# Altium PCB STM32unitV1.PcbDoc (part 3 of 4)
Units mm, origin at the board's own origin, x right, y up, seen from the top; angles counter-clockwise.
Board outline 206 x 142 mm, 2 copper layers (Top Layer, Bottom Layer); 234 components, 216 nets, 930 pads, 890 vias.
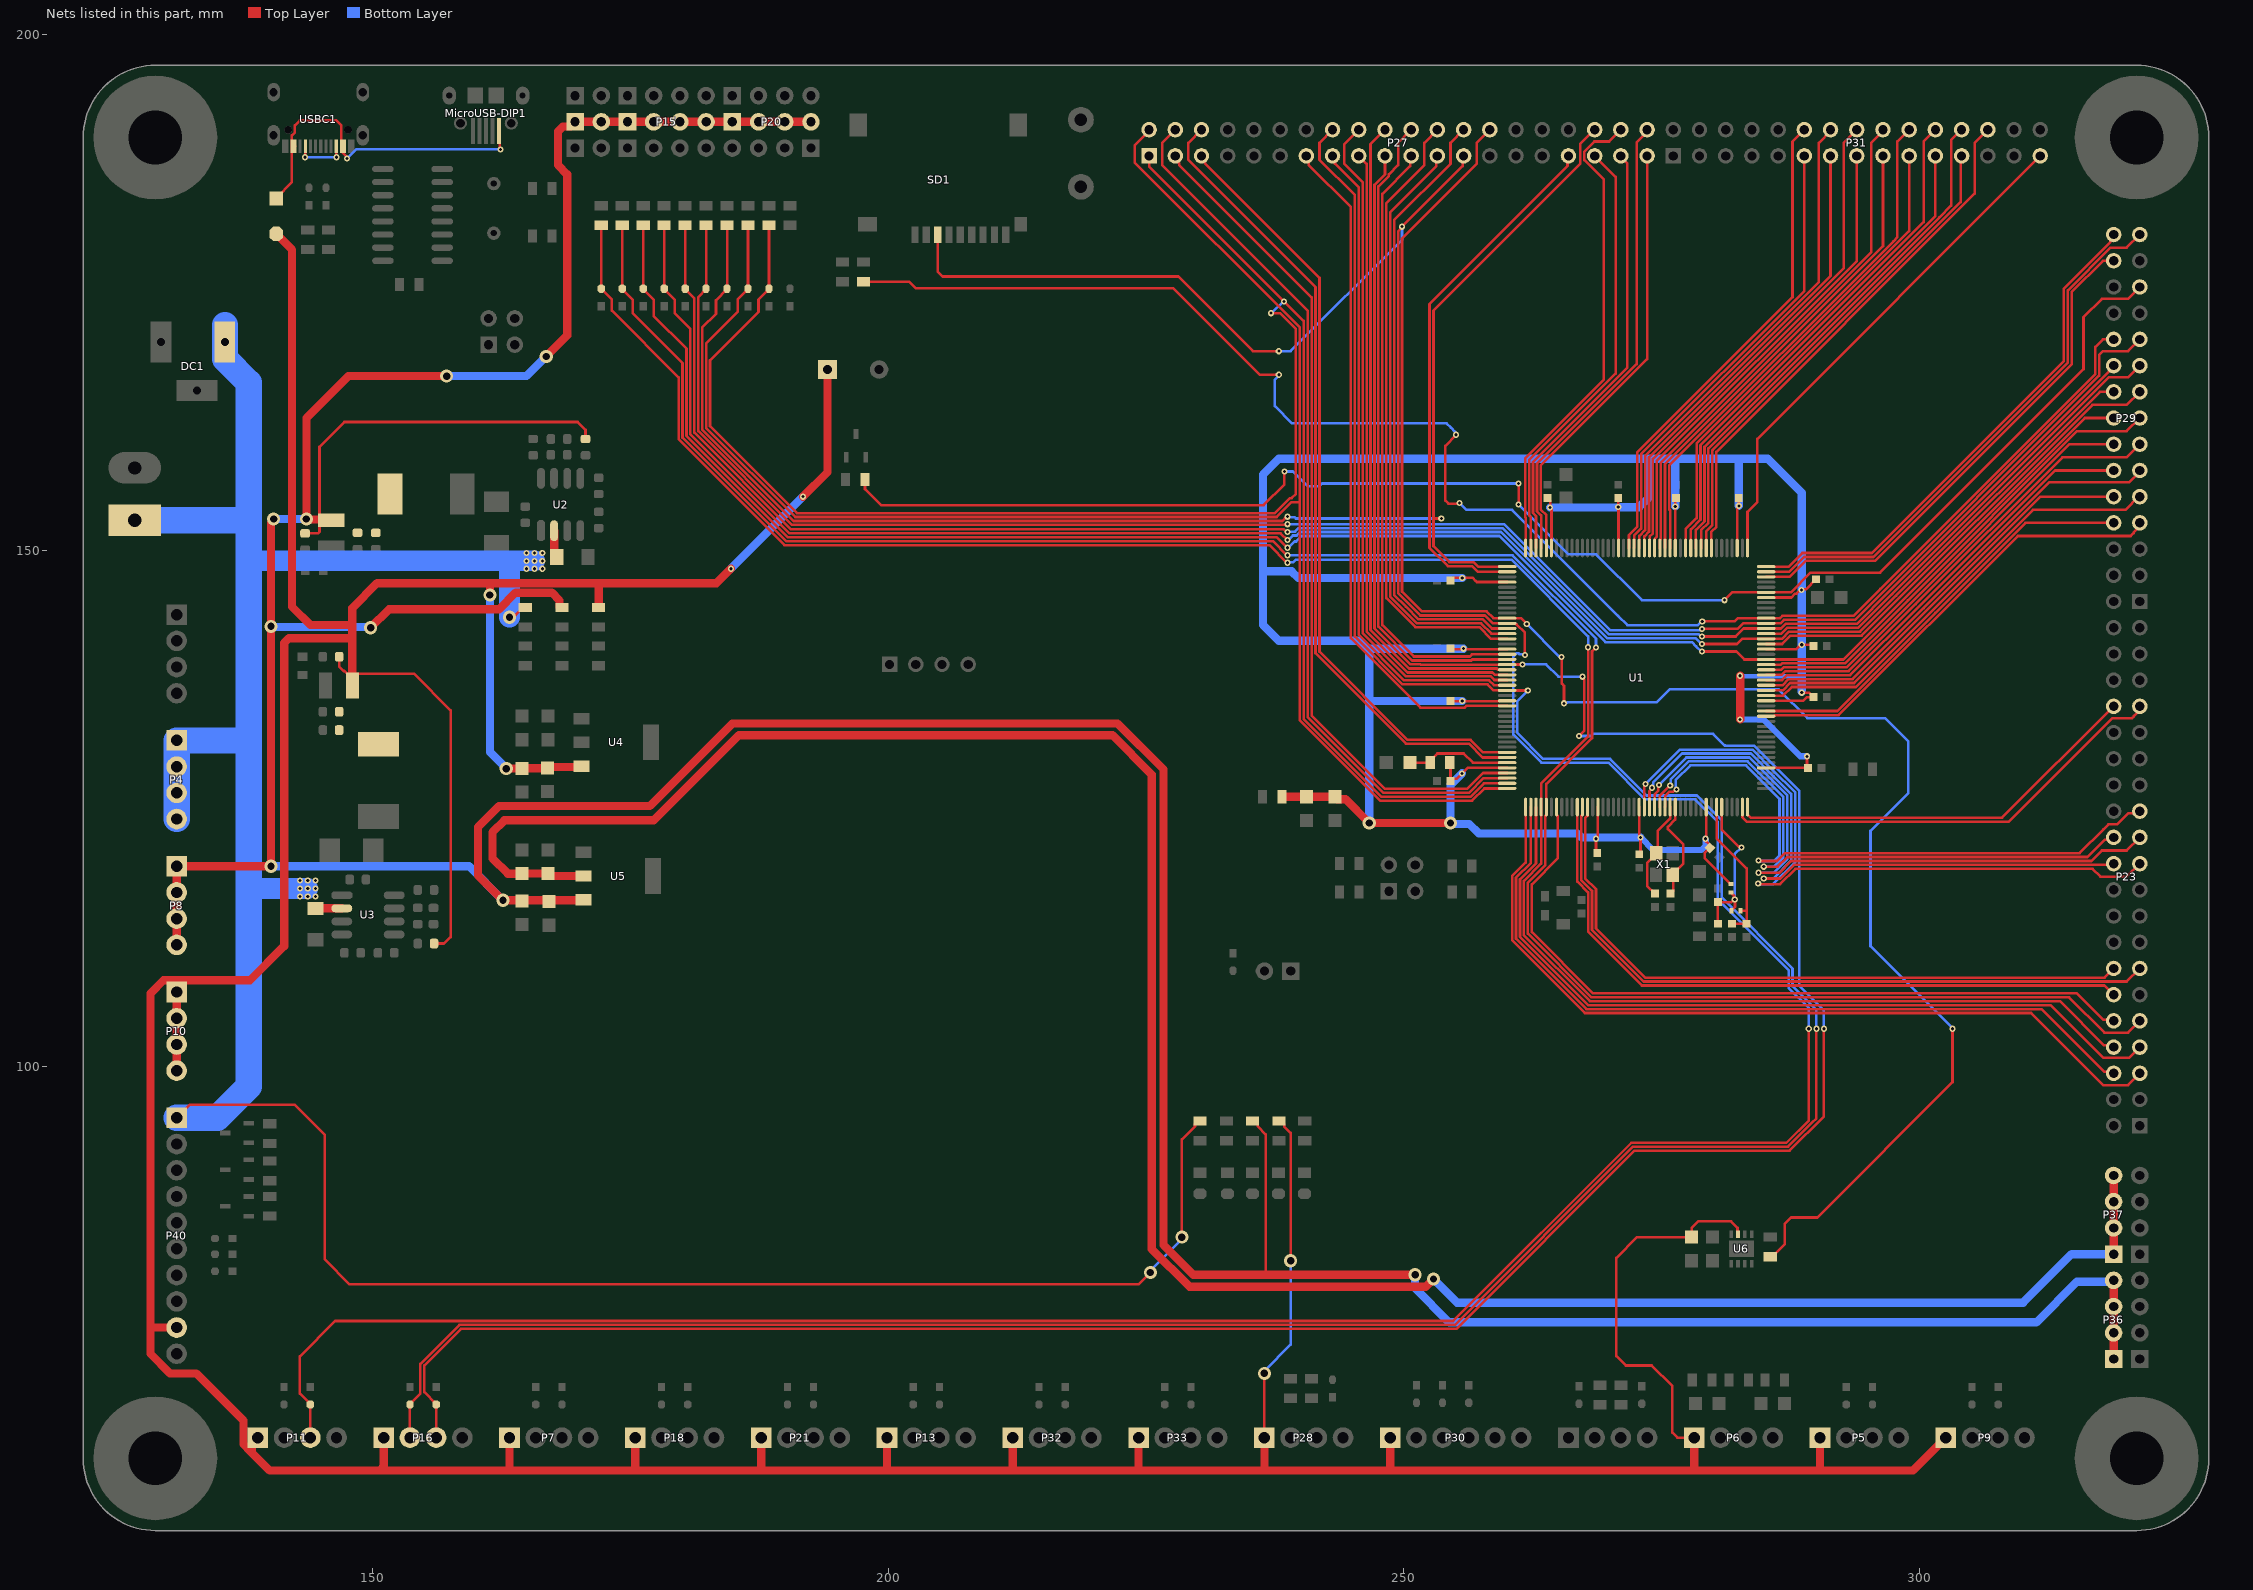
[diagram p3: the nets of this part, all layers, seen from the top]

## Via types
v1: diameter 0.6, hole 0.3, Top Layer to Bottom Layer, tented both sides, 860 vias
v2: diameter 1.27, hole 0.711, Top Layer to Bottom Layer, tented both sides, 30 vias

## Nets (pads, with @x,y where several pads share a name; then routed paths per layer and width w, separated by ;. In a path a pad name is that pad's centre, name@x,y a point inside that pad or via, vN(x,y) a via of type N, cw(c..) or ccw(c..) an arc to the next point about the centre after c; other vN are vias at no path point) (continued)
PD1: P27.28 R6.1 U1.143 | length 170.6
  Top Layer w0.254: P27.28@258.318,190.754 258.08,190.516 257.048,189.484 257.048,188.617 257.048,187.452 249.809,180.213 249.809,145.992 251.727,144.074 258.002,144.074 258.659,143.418 261.323,143.418 v1(261.899,142.842) ; v1(265.273,139.641) 265.303,139.611 265.303,137.068 265.511,136.86 v1(265.511,135.168) ; R6.1@285.496,81.534 285.686,81.534 286.893,82.74 286.893,84.709 287.528,85.344 290.049,85.344 303.154,98.449 v1(303.154,103.632)
  Bottom Layer w0.254: v1(261.899,142.842) 265.034,139.707 265.207,139.707 v1(265.273,139.641) ; v1(265.511,135.168) 265.577,135.234 265.837,135.234 265.858,135.255 274.479,135.255 275.749,136.525 286.316,136.525 289.11,133.731 296.624,133.731 298.877,131.478 298.877,126.48 295.204,122.808 295.204,111.638 303.154,103.688 v1(303.154,103.632)
PD2: D19.2 P11.3 P27.25 SD1.3 U1.144 | length 347.4
  Top Layer w0.254: P11.3@144.018,64.008 D19.2@144.018,67.222 144.018,67.272 143.002,68.288 143.002,71.882 146.431,75.311 254.773,75.311 272.045,92.583 287.051,92.583 289.229,94.761 v1(289.229,103.632) ; SD1.3@204.81,180.594 204.81,177.014 205.294,176.53 228.127,176.53 235.366,169.291 v1(237.871,169.291) ; P27.25@255.778,188.214 255.685,188.121 255.685,187.232 v1(249.809,181.356) 249.809,181.262 249.428,180.881 249.428,145.834 251.58,143.682 257.855,143.682 258.62,142.918 260.754,142.918 260.85,142.822 260.909,142.822 261.714,142.017 v1(261.714,139.86)
  Bottom Layer w0.254: v1(237.871,169.291) 239.014,169.291 249.809,180.086 v1(249.809,181.356) ; P27.25@255.719,188.155 P27.25@255.778,188.214 ; v1(261.714,139.86) 261.648,139.926 261.192,139.926 261.116,140.002 260.906,140.002 260.604,139.7 260.604,132.142 263.333,129.413 269.81,129.413 273.366,125.857 278.226,125.857 280.416,123.667 280.416,116.174 287.274,109.316 287.274,107.596 289.229,105.641 v1(289.229,103.632)
PD3: P27.26 U1.145 | length 60.2
  Top Layer w0.254: P27.26@255.778,190.754 254.508,189.484 254.508,187.452 249.047,181.991 249.047,145.676 250.19,144.533 250.19,144.526 251.415,143.301 257.638,143.301 258.521,142.418 U1.145@259.992,142.418
PD4: P27.23 U1.146 | length 57.4
  Top Layer w0.254: P27.23@253.238,188.214 253.145,188.121 253.145,187.232 248.666,182.753 248.666,145.511 251.257,142.92 257.48,142.92 258.482,141.918 U1.146@259.992,141.918
PD5: P27.24 U1.147 | length 60.8
  Top Layer w0.254: P27.24@253.238,190.754 251.968,189.484 251.968,187.325 248.285,183.642 248.285,145.353 251.099,142.539 257.322,142.539 258.443,141.418 U1.147@259.992,141.418
PD6: P27.21 U1.150 | length 60.1
  Top Layer w0.254: P27.21@250.698,188.214 250.605,188.121 250.605,187.232 247.904,184.531 247.904,142.748 250.952,139.7 256.374,139.7 256.592,139.918 U1.150@259.992,139.918
PD7: P27.22 U1.151 | length 63.3
  Top Layer w0.254: P27.22@250.698,190.754 249.428,189.484 249.428,187.325 248.539,186.436 248.539,186.278 247.523,185.262 247.523,142.59 250.794,139.319 256.532,139.319 256.631,139.418 U1.151@259.992,139.418
PD8: P31.26 U1.96 | length 51.6
  Top Layer w0.254: U1.96@279.792,150.218 279.792,151.797 280.268,152.273 280.268,159.518 305.308,184.558 305.308,189.484 P31.26@306.578,190.754
PD9: P31.23 U1.97 | length 48.2
  Top Layer w0.254: U1.97@279.292,150.218 279.292,151.836 279.887,152.431 279.887,159.676 279.908,159.697 303.946,183.734 303.946,188.122 P31.23@304.038,188.214
PD10: P31.24 U1.98 | length 51
  Top Layer w0.254: U1.98@278.792,150.218 278.792,151.945 279.501,152.654 279.501,159.867 301.879,182.245 303.03,183.396 303.03,189.746 P31.24@304.038,190.754
PD11: P31.21 U1.99 | length 47.6
  Top Layer w0.254: U1.99@278.292,150.218 278.292,151.984 279.118,152.809 279.118,160.022 301.498,182.403 P31.21@301.498,188.214
PD12: P31.22 U1.100 | length 50.4
  Top Layer w0.254: U1.100@277.792,150.218 277.792,152.023 278.737,152.967 278.737,160.18 300.355,181.799 300.355,189.611 P31.22@301.498,190.754
PD13: P31.19 U1.101 | length 47
  Top Layer w0.254: U1.101@277.292,150.218 277.292,152.061 278.356,153.125 278.356,160.338 298.958,180.94 P31.19@298.958,188.214
PD14: P31.20 U1.104 | length 50.2
  Top Layer w0.254: U1.104@275.792,150.218 275.792,153.876 275.717,153.951 275.717,158.238 297.422,179.943 297.815,180.336 297.815,188.491 297.815,189.611 298.947,190.743 P31.20@298.958,190.754
PD15: P31.17 U1.105 | length 46.7
  Top Layer w0.254: U1.105@275.292,150.218 275.292,158.352 296.418,179.478 P31.17@296.418,188.214
PDR_ON: C3.2 R8.2 U1.171 | length 10.3
  Top Layer w0.254: C3.2@250.571,129.413 R8.2@252.542,129.413 252.542,129.604 253.241,130.302 255.789,130.302 256.673,129.418 U1.171@259.992,129.418
PE0: P27.5 U1.169 | length 75
  Top Layer w0.254: P27.5@230.378,188.214 230.378,187.877 230.733,187.522 230.733,187.478 241.808,176.403 241.808,140.181 250.357,131.632 256.448,131.632 257.662,130.418 U1.169@259.992,130.418
PE1: P27.6 U1.170 | length 79.1
  Top Layer w0.254: P27.6@230.378,190.754 229.108,189.484 229.108,187.833 241.427,175.514 241.427,140.023 250.199,131.251 256.29,131.251 257.623,129.918 U1.170@259.992,129.918
PE2: P23.5 U1.1 | length 80.6
  Top Layer w0.254: U1.1@261.792,125.118 261.792,119.737 260.477,118.422 260.477,112.21 267.531,105.156 310.769,105.156 317.754,98.171 320.167,98.171 P23.5@321.31,99.314
PE3: P23.6 U1.2 | length 76.7
  Top Layer w0.254: U1.2@262.292,125.118 262.292,119.698 260.858,118.264 260.858,112.368 267.689,105.537 311.785,105.537 317.843,99.479 318.605,99.479 P23.6@318.77,99.314
PE4: P23.7 U1.3 | length 78.6
  Top Layer w0.254: U1.3@262.792,125.118 262.792,119.659 261.239,118.106 261.239,112.526 267.847,105.918 312.674,105.918 317.754,100.838 320.294,100.838 P23.7@321.31,101.854
PE5: D34.2 P23.8 R74.1 U1.4 | length 213.3
  Top Layer w0.254: R74.1@172.212,181.488 D34.2@172.212,175.348 172.212,175.298 173.228,174.282 173.228,173.228 179.705,166.751 179.705,160.759 189.969,150.495 236.95,150.495 238.658,148.787 v1(238.714,148.787) ; v1(267.843,140.599) 267.843,131.953 263.292,127.402 U1.4@263.292,125.118 263.292,119.62 261.62,117.948 261.62,112.684 268.005,106.299 313.563,106.299 317.843,102.019 318.605,102.019 P23.8@318.77,101.854
  Bottom Layer w0.254: v1(238.714,148.787) 238.78,148.853 239.277,148.853 239.522,149.098 260.406,149.098 267.843,141.661 v1(267.843,140.599)
PE6: D33.2 P23.9 R75.1 U1.5 | length 214.7
  Top Layer w0.254: R75.1@174.244,181.488 D33.2@174.244,175.348 174.244,175.298 175.26,174.282 175.26,172.974 180.086,168.148 180.086,160.916 190.126,150.876 237.296,150.876 238.658,149.514 v1(238.714,149.514) ; v1(268.605,140.589) 268.605,140.578 268.224,140.197 268.224,131.795 263.792,127.363 U1.5@263.792,125.118 263.792,124.356 263.696,124.26 263.696,119.486 262.001,117.791 262.001,112.841 268.162,106.68 314.452,106.68 317.881,103.251 320.167,103.251 P23.9@321.31,104.394
  Bottom Layer w0.254: v1(238.714,149.514) 260.529,149.514 268.605,141.438 v1(268.605,140.589)
PE7: P29.14 U1.68 | length 42.7
  Top Layer w0.254: U1.68@285.092,138.418 286.559,138.418 286.797,138.656 292.892,138.656 299.212,144.976 314.51,160.274 P29.14@318.77,160.274
PE8: P29.15 U1.69 | length 46.1
  Top Layer w0.254: U1.69@285.092,138.918 286.52,138.918 286.639,139.037 292.734,139.037 298.831,145.134 315.241,161.544 320.04,161.544 P29.15@321.31,162.814
PE9: D28.2 P29.16 R66.1 U1.70 | length 180.1
  Top Layer w0.254: R66.1@176.276,181.488 D28.2@176.276,175.348 176.276,175.298 177.292,174.282 177.292,172.72 180.467,169.545 180.467,161.074 190.284,151.257 237.677,151.257 238.693,150.241 v1(238.714,150.241) ; v1(278.875,140.194) 282.208,140.194 282.984,139.418 U1.70@285.092,139.418 292.576,139.418 315.972,162.814 P29.16@318.77,162.814
  Bottom Layer w0.254: v1(238.714,150.241) 238.781,150.241 239.386,150.846 239.553,150.846 240.092,151.384 259.242,151.384 269.529,141.097 277.917,141.097 278.322,140.691 278.82,140.194 v1(278.875,140.194)
PE10: P29.17 U1.73 | length 46.3
  Top Layer w0.254: U1.73@285.092,140.918 286.649,140.918 287.463,141.732 294.351,141.732 316.703,164.084 320.04,164.084 P29.17@321.31,165.354
PE11: D27.2 P29.18 R67.1 U1.74 | length 178.4
  Top Layer w0.254: R67.1@178.308,181.488 D27.2@178.308,175.348 178.308,175.298 179.324,174.282 179.324,172.974 180.848,171.45 180.848,161.232 190.442,151.638 238.058,151.638 238.693,151.003 v1(238.714,151.003) ; v1(278.876,140.921) 282.272,140.921 282.769,141.418 U1.74@285.092,141.418 286.61,141.418 287.305,142.113 294.194,142.113 297.688,145.607 317.435,165.354 P29.18@318.77,165.354
  Bottom Layer w0.254: v1(238.714,151.003) 238.808,151.003 239.233,151.428 239.597,151.428 239.934,151.765 259.399,151.765 269.686,141.478 278.274,141.478 278.831,140.921 v1(278.876,140.921)
PE12: P29.19 U1.75 | length 47
  Top Layer w0.254: U1.75@285.092,141.918 286.571,141.918 287.147,142.494 294.036,142.494 297.307,145.765 318.293,166.751 320.167,166.751 P29.19@321.31,167.894
PE13: D26.2 P29.20 R68.1 U1.76 | length 177.4
  Top Layer w0.254: R68.1@180.34,181.488 D26.2@180.34,175.348 180.34,175.298 181.229,174.409 181.229,161.39 190.6,152.019 238.366,152.019 238.62,151.765 v1(238.714,151.765) ; v1(278.888,141.648) 282.141,141.648 282.911,142.418 U1.76@285.092,142.418 286.528,142.418 286.985,142.875 293.878,142.875 296.926,145.923 318.77,167.767 P29.20@318.77,167.894
  Bottom Layer w0.254: v1(238.714,151.765) 238.758,151.809 239.439,151.809 239.776,152.146 259.557,152.146 269.844,141.859 278.583,141.859 278.794,141.648 v1(278.888,141.648)
PE14: D25.2 P29.21 R69.1 U1.77 | length 180.9
  Top Layer w0.254: R69.1@182.372,181.488 D25.2@182.372,175.348 182.372,175.298 181.61,174.536 181.61,161.548 190.698,152.459 238.648,152.459 v1(238.714,152.526) ; v1(278.889,142.381) 282.335,142.381 282.872,142.918 U1.77@285.092,142.918 286.49,142.918 286.828,143.256 293.716,143.256 317.373,166.913 317.373,168.91 317.754,169.291 320.167,169.291 P29.21@321.31,170.434
  Bottom Layer w0.254: v1(238.714,152.526) 238.715,152.527 259.715,152.527 270.002,142.24 278.654,142.24 278.795,142.381 v1(278.889,142.381)
PE15: P29.22 R53.1 U1.78 | length 155.6
  Top Layer w0.254: R53.1@197.612,176.022 202.057,176.022 202.692,175.387 227.653,175.387 236.035,167.005 v1(237.871,167.005) ; v1(255.03,161.197) 255.03,161.155 254,160.126 254,154.813 254.295,154.518 255.302,154.518 v1(255.368,154.584) ; v1(278.908,143.107) 282.045,143.107 282.356,143.418 286.451,143.418 286.67,143.637 293.559,143.637 296.164,146.242 316.992,167.07 316.992,169.705 317.721,170.434 P29.22@318.77,170.434
  Bottom Layer w0.254: v1(237.871,167.005) 237.871,166.911 237.49,166.53 237.49,163.957 239.141,162.306 254.127,162.306 254.545,161.888 254.963,161.47 254.963,161.263 v1(255.03,161.197) ; v1(255.368,154.584) 255.388,154.584 256.048,153.924 260.477,153.924 270.764,143.637 271.653,142.748 278.472,142.748 278.832,143.107 v1(278.908,143.107)
PF6: P23.21 U1.24 | length 69.9
  Top Layer w0.254: U1.24@273.292,125.118 273.292,127.149 273.396,127.254 v1(273.396,127.347) ; v1(284.326,117.705) 284.393,117.639 284.636,117.639 284.638,117.637 286.451,117.637 287.94,119.126 316.738,119.126 317.5,118.364 320.04,118.364 P23.21@321.31,119.634
  Bottom Layer w0.254: v1(273.396,127.347) 276.732,130.683 283.776,130.683 285.779,128.68 285.783,128.68 287.909,126.554 287.909,119.765 285.781,117.637 284.638,117.637 284.636,117.639 v1@284.425,117.639 ; v1(284.326,117.705) v1@284.343,117.721 ; v1@284.343,117.721 v1@284.425,117.639 ; v1@284.343,117.721 v1@284.425,117.639 ; v1@284.343,117.721 v1@284.425,117.639
PF7: P23.22 U1.25 | length 63
  Top Layer w0.254: U1.25@273.792,125.118 273.792,126.656 274.026,126.89 v1(274.026,126.984) ; v1(284.867,118.191) 286.466,118.191 287.782,119.507 318.643,119.507 P23.22@318.77,119.634
  Bottom Layer w0.254: v1(274.026,126.984) 274.092,127.05 274.092,127.251 274.147,127.306 274.147,127.483 276.966,130.302 283.618,130.302 285.827,128.093 285.831,128.093 287.528,126.396 287.528,119.923 285.796,118.191 v1(284.867,118.191)
PF8: P23.23 U1.26 | length 65.5
  Top Layer w0.254: U1.26@274.292,125.118 274.301,125.127 274.301,126.346 274.635,126.68 274.635,127.188 v1(274.701,127.254) ; v1(284.353,118.745) 286.385,118.745 287.528,119.888 316.611,119.888 317.627,120.904 320.04,120.904 P23.23@321.31,122.174
  Bottom Layer w0.254: v1(274.701,127.254) 277.368,129.921 283.46,129.921 285.746,127.635 285.75,127.635 287.147,126.238 287.147,120.08 285.812,118.745 v1@284.459,118.745 ; v1(284.353,118.745) v1@284.406,118.798 ; v1@284.406,118.798 v1@284.459,118.745 ; v1@284.406,118.798 v1@284.459,118.745 ; v1@284.406,118.798 v1@284.459,118.745
PF9: P23.24 U1.27 | length 59.4
  Top Layer w0.254: U1.27@274.792,125.118 274.792,126.211 v1(275.798,127.217) ; v1(284.861,119.337) 286.215,119.337 287.147,120.269 316.23,120.269 317.907,121.946 318.542,121.946 P23.24@318.77,122.174
  Bottom Layer w0.254: v1(275.798,127.217) 275.864,127.284 275.864,127.813 277.591,129.54 283.302,129.54 286.766,126.076 286.766,120.238 285.865,119.337 v1(284.861,119.337)
PF10: P23.25 U1.28 | length 62.1
  Top Layer w0.254: U1.28@275.292,125.118 275.301,125.127 275.301,126.181 275.728,126.609 276.103,126.609 276.312,126.818 v1(276.405,126.818) ; v1(284.343,119.935) 284.387,119.891 286.146,119.891 286.906,120.65 315.468,120.65 317.766,122.948 318.262,123.444 319.109,123.444 320.179,124.514 321.11,124.514 P23.25@321.31,124.714
  Bottom Layer w0.254: v1(276.405,126.818) 276.352,126.871 276.352,127.762 277.749,129.159 283.145,129.159 286.385,125.919 286.385,120.396 285.88,119.891 284.387,119.891 v1(284.343,119.935)
PF11: P29.7 U1.59 | length 44.2
  Top Layer w0.254: U1.59@285.092,133.918 285.854,133.918 285.95,134.014 292.125,134.014 309.495,151.384 320.421,151.384 320.712,151.675 320.712,151.719 321.31,152.317 P29.7@321.31,152.654
PF12: P29.8 U1.60 | length 41.2
  Top Layer w0.254: U1.60@285.092,134.418 291.99,134.418 301.498,143.926 310.226,152.654 P29.8@318.77,152.654
PF13: P29.9 U1.63 | length 44.2
  Top Layer w0.254: U1.63@285.092,135.918 286.753,135.918 287.586,136.751 293.785,136.751 310.958,153.924 319.913,153.924 321.183,155.194 P29.9@321.31,155.194
PF14: P29.10 U1.64 | length 41.5
  Top Layer w0.254: U1.64@285.092,136.418 285.711,136.418 285.732,136.439 285.754,136.418 286.714,136.418 287.428,137.132 293.627,137.132 311.689,155.194 P29.10@318.77,155.194
PF15: P29.11 U1.65 | length 44.9
  Top Layer w0.254: U1.65@285.092,136.918 286.675,136.918 287.27,137.513 293.469,137.513 300.355,144.399 312.547,156.591 320.294,156.591 321.31,157.607 P29.11@321.31,157.734
PG0: P29.12 U1.66 | length 42.1
  Top Layer w0.254: U1.66@285.092,137.418 286.636,137.418 287.112,137.894 293.246,137.894 299.974,144.622 313.086,157.734 P29.12@318.77,157.734
PG1: P29.13 U1.67 | length 45.5
  Top Layer w0.254: U1.67@285.092,137.918 286.598,137.918 286.955,138.275 293.088,138.275 299.593,144.78 313.817,159.004 320.04,159.004 P29.13@321.31,160.274
PG2: P31.18 U1.106 | length 49.5
  Top Layer w0.254: U1.106@274.792,150.218 274.792,150.98 274.888,151.076 274.888,158.487 295.275,178.874 295.275,189.484 296.418,190.627 P31.18@296.418,190.754
PG3: P31.15 U1.107 | length 46.1
  Top Layer w0.254: U1.107@274.292,150.218 274.301,150.227 274.301,151.111 274.507,151.317 274.507,158.683 293.878,178.054 P31.15@293.878,188.214
PG4: P31.16 U1.108 | length 48.9
  Top Layer w0.254: U1.108@273.792,150.218 273.801,150.227 273.801,151.313 274.126,151.638 274.126,158.841 292.608,177.323 292.608,189.484 P31.16@293.878,190.754
PG5: P31.13 U1.109 | length 45.5
  Top Layer w0.254: U1.109@273.292,150.218 273.301,150.227 273.301,151.352 273.745,151.796 273.745,158.999 291.338,176.592 P31.13@291.338,188.214
PG6: P31.14 U1.110 | length 48.2
  Top Layer w0.254: U1.110@272.792,150.218 272.801,150.227 272.801,151.39 273.364,151.954 273.364,159.156 290.195,175.987 290.195,189.484 291.338,190.627 P31.14@291.338,190.754
PG7: P31.11 U1.111 | length 44.8
  Top Layer w0.254: U1.111@272.292,150.218 272.301,150.227 272.301,151.429 272.983,152.111 272.983,159.314 288.798,175.129 P31.11@288.798,188.214
PG8: P31.12 U1.112 | length 47.6
  Top Layer w0.254: U1.112@271.792,150.218 271.801,150.227 271.801,151.468 272.602,152.269 272.602,159.472 287.655,174.525 287.655,189.611 P31.12@288.798,190.754
PG9: D39.2 P16.3 P27.19 U1.152 | length 283.7
  Top Layer w0.254: P16.3@156.21,64.008 D39.2@156.21,67.222 156.21,67.272 155.067,68.415 155.067,70.993 158.623,74.549 255.089,74.549 272.361,91.821 287.366,91.821 290.696,95.151 v1(290.696,103.632) ; P27.19@248.158,188.214 248.158,186.436 247.142,185.42 247.142,142.432 250.636,138.938 251.587,138.938 251.607,138.918 U1.152@259.992,138.918 260.001,138.927 261.482,138.927 v1(261.493,138.938) ; v1(266.954,131.999) 267.462,132.507 267.462,137.482 267.289,137.655 v1(267.289,137.749)
  Bottom Layer w0.254: v1(261.493,138.938) 263.779,138.938 264.968,137.749 v1(267.289,137.749) ; v1(266.954,131.999) 268.112,131.999 268.32,132.207 279.95,132.207 281.076,131.082 281.16,131.082 281.178,131.064 283.937,131.064 288.29,126.711 288.29,107.823 290.696,105.417 v1(290.696,103.632)
PG10: P27.20 U1.153 | length 63.9
  Top Layer w0.254: P27.20@248.158,190.754 246.761,189.357 246.761,142.275 250.499,138.537 258.973,138.537 259.083,138.427 259.983,138.427 U1.153@259.992,138.418
PG11: P27.17 U1.154 | length 61.8
  Top Layer w0.254: P27.17@245.618,188.214 246.38,187.452 246.38,142.117 250.341,138.156 258.572,138.156 258.801,137.927 259.983,137.927 U1.154@259.992,137.918
PG12: P27.18 U1.155 | length 66
  Top Layer w0.254: P27.18@245.618,190.754 244.221,189.357 244.221,187.452 245.999,185.674 245.999,141.959 250.183,137.775 258.414,137.775 258.762,137.427 259.983,137.427 U1.155@259.992,137.418
PG13: P27.15 U1.156 | length 63.9
  Top Layer w0.254: P27.15@243.078,188.214 243.316,187.976 243.316,187.468 245.618,185.166 245.618,141.801 250.025,137.394 258.256,137.394 258.724,136.927 259.983,136.927 U1.156@259.992,136.918
PG14: D42.2 P16.2 P27.16 U1.157 | length 283.2
  Top Layer w0.254: P16.2@153.67,64.008 D42.2@153.67,67.222 153.67,67.272 154.686,68.288 154.686,71.151 158.465,74.93 254.931,74.93 272.203,92.202 287.209,92.202 289.532,94.525 289.962,94.956 v1(289.962,103.632) ; P27.16@243.078,190.754 241.808,189.484 241.808,187.833 245.237,184.404 245.237,141.643 249.867,137.013 258.099,137.013 258.694,136.418 U1.157@259.992,136.418 260.001,136.409 261.99,136.409 v1(262.001,136.398)
  Bottom Layer w0.254: v1(262.001,136.398) 260.985,135.382 260.985,132.299 263.49,129.794 269.967,129.794 273.523,126.238 278.384,126.238 280.797,123.825 280.797,116.332 287.655,109.474 287.655,107.754 289.962,105.446 v1(289.962,103.632)
PG15: P27.13 U1.160 | length 66.5
  Top Layer w0.254: P27.13@240.538,188.214 240.766,187.986 240.766,187.351 244.856,183.261 244.856,141.485 251.594,134.747 255.886,134.747 256.057,134.918 U1.160@259.992,134.918
PH0: C1.1 U1.29 X1.1 | length 9.6
  Top Layer w0.254: C1.1@274.32,116.728 273.568,117.48 273.568,119.671 274.447,120.55 274.447,120.75 274.574,120.877 274.574,122.778 275.792,123.996 U1.29@275.792,125.118
PH1: C2.2 U1.30 X1.3 | length 9.9
  Top Layer w0.254: C2.2@275.844,116.728 276.098,116.982 276.098,118.491 X1.3@276.047,118.542 276.047,118.642 277.07,119.664 277.07,121.477 275.57,122.976 275.57,123.187 276.283,123.9 276.283,125.109 U1.30@276.292,125.118
PH2: P23.33 U1.43 | length 44.5
  Top Layer w0.254: U1.43@282.792,125.118 282.801,125.109 282.801,124.107 283.21,123.698 308.61,123.698 318.643,133.731 320.548,133.731 320.728,133.911 320.728,133.954 321.31,134.537 P23.33@321.31,134.874
PH3: P23.34 U1.44 | length 40.8
  Top Layer w0.254: U1.44@283.292,125.118 283.292,124.38 283.593,124.079 307.975,124.079 P23.34@318.77,134.874
PH6: P29.25 R84.2 U1.83 | length 149.3
  Top Layer w0.254: R84.2@197.774,156.845 197.774,155.921 199.331,154.364 236.406,154.364 238.414,156.372 v1(238.414,157.628) ; v1(261.112,154.432) v1(261.112,156.464) ; v1(281.051,145.161) 281.808,145.918 U1.83@285.092,145.918 287.492,145.918 289.402,147.828 296.133,147.828 315.849,167.544 315.849,172.593 317.627,174.371 320.167,174.371 P29.25@321.31,175.514
  Bottom Layer w0.254: v1(238.414,157.628) 239.247,157.628 240.665,156.21 241.808,156.21 242.062,156.464 v1(261.112,156.464) ; v1(261.112,154.432) 265.938,149.606 268.605,149.606 273.05,145.161 v1(281.051,145.161)
PH9: P29.28 U1.86 | length 50.5
  Top Layer w0.254: U1.86@285.092,147.418 287.376,147.418 288.929,148.971 295.66,148.971 314.706,168.017 314.706,175.037 317.723,178.054 P29.28@318.77,178.054
PH10: P29.29 U1.87 | length 53.9
  Top Layer w0.254: U1.87@285.092,147.918 287.337,147.918 288.771,149.352 295.502,149.352 314.325,168.175 314.325,175.195 318.454,179.324 320.04,179.324 P29.29@321.31,180.594
PH11: P29.30 U1.88 | length 51.4
  Top Layer w0.254: U1.88@285.092,148.418 287.298,148.418 288.613,149.733 295.344,149.733 313.944,168.333 313.944,175.352 318.432,179.84 318.432,179.919 318.77,180.257 P29.30@318.77,180.594
PH12: P31.29 U1.89 | length 49.7
  Top Layer w0.254: U1.89@283.292,150.218 283.292,153.721 284.241,154.671 284.241,160.797 P31.29@311.658,188.214
PH13: P27.39 U1.128 | length 42.5
  Top Layer w0.254: U1.128@263.792,150.218 263.792,153.403 263.271,153.924 263.271,154.566 263.271,158.242 273.558,168.529 P27.39@273.558,188.214
PH14: P27.40 U1.129 | length 45.1
  Top Layer w0.254: U1.129@263.292,150.218 263.292,153.364 262.89,153.766 262.89,158.4 272.542,168.052 272.542,189.532 273.558,190.548 P27.40@273.558,190.754
PH15: P27.37 U1.130 | length 42.2
  Top Layer w0.254: U1.130@262.792,150.218 262.792,153.325 262.509,153.608 262.509,158.558 271.653,167.702 271.653,187.46 271.018,188.095 P27.37@271.018,188.214
PI0: P27.38 U1.132 | length 46.8
  Top Layer w0.254: U1.132@261.792,150.218 261.792,153.161 261.747,153.206 261.747,158.908 269.367,166.528 269.367,185.905 267.474,187.798 267.474,188.63 268.455,189.611 269.875,189.611 P27.38@271.018,190.754
PI1: P27.35 U1.131 | length 42.4
  Top Layer w0.254: U1.131@262.292,150.218 262.292,153.2 262.128,153.364 262.128,158.75 270.51,167.132 270.51,186.182 P27.35@268.478,188.214
PI2: D29.2 P27.36 R73.1 U1.133 | length 151.9
  Top Layer w0.254: R73.1@184.404,181.488 D29.2@184.404,175.348 184.404,175.298 183.327,174.221 183.327,172.913 181.991,171.577 181.991,161.706 190.856,152.84 238.208,152.84 238.62,153.253 v1(238.714,153.253) ; v1(253.619,153.081) 252.857,153.081 ; U1.133@259.992,148.418 257.186,148.418 256.76,148.844 254.412,148.844 252.857,150.399 252.857,153.081 ; P27.36@268.478,190.754 267.081,189.357 267.081,187.452 252.857,173.228 252.857,153.081
  Bottom Layer w0.254: v1(238.714,153.253) 238.759,153.208 239.395,153.208 239.522,153.081 v1(253.619,153.081)
PI3: P27.33 U1.134 | length 52
  Top Layer w0.254: U1.134@259.992,147.918 259.983,147.927 257.139,147.927 256.602,148.463 254.254,148.463 252.476,150.241 252.476,173.863 265.845,187.232 265.845,188.121 P27.33@265.938,188.214
PI4: P27.3 U1.173 | length 82.2
  Top Layer w0.254: P27.3@227.838,188.214 227.838,187.877 228.219,187.496 228.219,187.325 241.046,174.498 241.046,133.985 248.158,126.873 256.127,126.873 257.672,128.418 U1.173@259.992,128.418
PI5: P27.4 U1.174 | length 86.2
  Top Layer w0.254: P27.4@227.838,190.754 226.568,189.484 226.568,187.325 240.665,173.228 240.665,133.827 248,126.492 256.285,126.492 257.711,127.918 U1.174@259.992,127.918
PI6: D31.2 P27.1 R71.1 U1.175 | length 187.8
  Top Layer w0.254: R71.1@188.468,181.488 D31.2@188.468,175.348 188.468,175.298 187.452,174.282 187.452,173.101 182.753,168.402 182.753,162.021 191.172,153.602 237.495,153.602 238.936,155.044 239.118,155.044 239.522,155.448 239.522,171.419 237.967,172.974 v1(237.109,172.974) ; P27.1@225.298,188.214 225.298,187.198 240.284,172.212 240.284,133.669 247.842,126.111 256.442,126.111 257.749,127.418 U1.175@259.992,127.418
  Bottom Layer w0.254: v1(237.109,172.974) 237.172,172.974 238.315,174.117 v1(238.379,174.117)
PI7: D30.2 P27.2 R72.1 U1.176 | length 171.2
  Top Layer w0.254: R72.1@186.436,181.488 D30.2@186.436,175.348 186.436,175.298 185.42,174.282 185.42,173.101 182.372,170.053 182.372,161.863 191.014,153.221 237.653,153.221 239.075,154.644 239.798,154.644 ; P27.2@225.298,190.754 225.298,190.627 223.901,189.23 223.901,187.579 239.903,171.577 239.903,154.644 239.903,133.512 247.685,125.73 256.6,125.73 257.788,126.918 U1.176@259.992,126.918
PI8: P23.10 U1.7 | length 73.2
  Top Layer w0.254: U1.7@264.792,125.118 264.792,124.356 264.888,124.26 264.888,124.201 264.911,124.178 264.911,120.162 262.382,117.633 262.382,112.999 268.32,107.061 315.214,107.061 317.788,104.487 318.677,104.487 P23.10@318.77,104.394
PI9: P23.12 U1.11 | length 66
  Top Layer w0.254: U1.11@266.792,125.118 266.792,117.891 267.843,116.84 267.843,113.037 273.057,107.823 317.881,107.823 P23.12@318.77,106.934
PI10: P23.13 U1.12 | length 68.1
  Top Layer w0.254: U1.12@267.292,125.118 267.292,124.356 267.196,124.26 267.196,124.201 267.173,124.178 267.173,118.049 268.224,116.998 268.224,113.195 273.215,108.204 320.04,108.204 P23.13@321.31,109.474
PI11: P23.14 U1.13 | length 64.8
  Top Layer w0.254: U1.13@267.792,125.118 267.783,125.109 267.783,124.273 267.554,124.044 267.554,118.207 268.605,117.156 268.605,113.353 273.373,108.585 317.881,108.585 P23.14@318.77,109.474
SBU: USBC1.A8 USBC1.B8 | length 5.2
  Top Layer w0.254: v1(143.51,188.087) 143.52,188.097 143.52,189.136 USBC1.B8@143.53,189.146 ; USBC1.A8@146.53,189.146 146.544,189.132 146.544,188.101 v1(146.558,188.087)
  Bottom Layer w0.254: v1(143.51,188.087) v1(146.558,188.087)
VBUS: D5.1 MicroUSB-DIP1.1@162.306,190.635 USBC1.A4 USBC1.A9 USBC1.B4 USBC1.B9 | length 33.8
  Top Layer w0.254: D5.1@140.716,184.087 140.716,184.15 142.23,185.664 USBC1.A9@142.23,189.147 ; USBC1.B4@142.53,189.147 USBC1.A9@142.23,189.147 ; USBC1.A4@147.33,189.147 USBC1.B9@147.03,189.147 ; v1(147.574,187.96) 147.508,188.026 147.508,188.169 147.03,188.647 USBC1.B9@147.03,189.147 ; MicroUSB-DIP1.1@162.306,190.635 162.369,190.572 162.369,188.912 v1(162.433,188.849) ; USBC1.A9@142.23,189.147 142.23,190.195 142.519,190.484 142.519,191.16 143.002,191.643 146.558,191.643 147.03,191.171 USBC1.B9@147.03,189.147
  Bottom Layer w0.254: v1(147.574,187.96) 148.463,188.849 v1(162.433,188.849)
VCC_3V3_MCU: C30.2 C31.2 C32.2 C33.2 C34.2 C35.2 C36.2 C37.2 C38.2 C39.2 C40.2 C41.2 C42.2 C43.2 C44.2 C57.2 C58.2 L2.2 L5.1 R8.1 U1.15 U1.23 U1.36 U1.49 U1.62 U1.72 U1.82 U1.91 U1.103 U1.114 U1.127 U1.136 U1.149 U1.159 U1.172 | length 328.6
  Top Layer w0.254: R8.1@254.442,129.413 254.508,129.347 C30.2@254.508,127.635 254.714,127.841 255.095,127.841 v1(255.633,128.379) 256.172,128.918 U1.172@259.992,128.918 ; C31.2@254.508,135.382 v1(255.651,135.382) 259.194,135.382 259.23,135.418 U1.159@259.992,135.418 ; C35.2@254.508,140.462 254.552,140.418 U1.149@259.992,140.418 ; C41.2@254.508,147.066 254.762,147.32 v1(255.651,147.32) 256.668,147.32 256.951,147.037 257.07,146.918 U1.136@259.992,146.918 ; C36.2@263.906,155.052 264.16,154.798 v1(264.16,154.138) 264.16,154.044 264.292,153.912 U1.127@264.292,150.218 ; C34.2@268.732,120.65 268.605,120.777 v1(268.605,122.047) 268.605,122.141 268.792,122.328 U1.15@268.792,125.118 ; C37.2@270.764,155.052 v1(270.764,154.178) 270.783,154.159 270.783,150.227 U1.114@270.792,150.218 ; U1.23@272.792,125.118 272.792,122.399 272.923,122.268 v1(272.923,122.174) 272.923,120.665 C33.2@272.796,120.538 ; U1.103@276.292,150.218 v1(276.292,154.238) 276.292,154.992 C38.2@276.352,155.052 ; U1.36@279.292,125.118 279.283,125.109 279.283,122.103 v1(279.227,122.047) 279.293,121.981 279.293,121.779 279.654,121.418 C32.2@279.654,121.158 279.146,120.65 279.146,120.161 281.636,117.671 L2.2@281.686,117.671 ; U1.91@282.292,150.218 282.292,154.055 282.448,154.211 v1(282.448,154.305) C42.2@282.448,155.052 ; U1.49@285.092,128.918 C40.2@289.052,128.918 ; U1.62@285.092,135.418 288.707,135.418 289.052,135.763 C39.2@289.672,135.763 289.238,136.197 v1(288.544,136.197) ; U1.72@285.092,140.418 288.025,140.418 288.45,140.843 289.545,140.843 C44.2@289.672,140.716 ; U1.82@285.092,145.418 287.531,145.418 287.909,145.796 288.06,145.796 288.416,146.152 v1(288.51,146.152) ; v1@288.51,146.244 288.535,146.218 288.951,146.218 C43.2@289.926,147.193 ; C40.2@289.052,128.844 C40.2@289.052,128.918 ; v1(289.052,130.031) C40.2@289.052,128.918 ; C40.2@289.149,128.905 289.136,128.918 C40.2@289.052,128.918
  Top Layer w0.8: L5.1@238.186,126.111 C57.2@243.332,126.111 243.567,125.876 244.329,125.876 v2(246.634,123.571) v2(254.508,123.571) ; v1(282.575,133.604) v1(282.575,137.841)
  Bottom Layer w0.254: v1(282.575,137.841) v1@282.621,137.795
  Bottom Layer w0.4: v1@282.621,137.795 288.544,137.795
  Bottom Layer w0.6: v1(272.923,122.174) 274.158,120.939 278.812,120.939 279.238,121.365 279.238,121.967 279.227,121.978 v1(279.227,122.047) ; v1(282.575,133.604) 284.826,133.604 288.399,130.031 v1(289.052,130.031)
  Bottom Layer w0.8: v2(246.634,123.571) 246.634,135.382 ; v1(255.633,128.379) 254.508,127.254 v2(254.508,123.571) 254.598,123.481 256.325,123.481 257.251,122.555 266.827,122.555 267.208,122.174 268.605,122.174 v1(272.923,122.174) ; v1(255.651,135.382) 246.634,135.382 ; v1(255.651,147.32) 239.757,147.32 239.122,147.955 236.347,147.955 ; v1(255.778,140.462) 246.761,140.462 246.634,140.335 ; v1(264.16,154.138) 270.724,154.138 v1(270.764,154.178) 272.796,154.178 273.685,155.067 273.685,158.623 273.939,158.877 ; v1(276.292,154.238) 276.292,158.81 276.225,158.877 ; v1(282.448,154.305) 282.448,158.623 282.194,158.877 ; v1@288.544,136.299 288.544,137.795 v1(288.544,140.843) 288.544,146.152 288.544,155.575 285.242,158.877 282.194,158.877 ; 236.347,147.955 236.347,142.748 237.871,141.224 245.745,141.224 246.634,140.335 ; 236.347,147.955 236.347,157.353 237.871,158.877 273.939,158.877 ; 246.634,135.382 246.634,140.335 ; 273.939,158.877 276.225,158.877 ; 276.225,158.877 282.194,158.877
VCC_3V3_O: C50.2 C51.1 P37.1 P37.2 P37.3 P37.4 U5.2 | length 232.9
  Top Layer w0.8: C51.1@167.059,118.43 U5.2@170.469,118.43 ; C51.1@167.059,118.684 C50.2@164.519,118.684 164.49,118.655 163.153,118.655 161.671,120.137 161.671,122.682 162.814,123.825 177.292,123.825 185.547,132.08 221.742,132.08 225.552,128.27 225.552,82.296 229.216,78.632 252.114,78.632 v2(252.857,79.375) ; P37.1@318.77,81.788 P37.2@318.77,84.328 P37.3@318.77,86.868 P37.4@318.77,89.408
  Bottom Layer w0.8: v2(252.857,79.375) 255.143,77.089 310.007,77.089 314.706,81.788 P37.1@318.77,81.788
VCC_5V_M: C9.1 C10.2 C12.2 C46.2 C47.1 L1.1 P8.1 P8.2 P8.3 P8.4 P15.1 P15.2 P15.3 P15.4 P20.1 P20.2 P20.3 P20.4 P25.1 P25.2 P36.1 P36.2 P36.3 P36.4 R14.2 R15.2 R25.2 R27.2 U5.3 | length 488.2
  Top Layer w0.254: R14.2@143.51,151.638 144.758,151.638 144.907,151.787 144.907,152.4 C9.1@145.415,152.908 ; C9.1@146.05,152.908 C9.1@145.415,152.908 ; R15.2@170.688,160.782 170.688,161.671 169.926,162.433 147.32,162.433 144.907,160.02 144.907,153.416 145.351,152.971 C9.1@145.415,152.908 ; R27.2@235.331,94.676 235.522,94.676 235.839,94.358 235.839,94.168 236.601,93.406 236.601,79.794
  Top Layer w0.8: P8.4@131.064,111.76 P8.3@131.064,114.3 P8.2@131.064,116.84 P8.1@131.064,119.38 v2(140.208,119.38) v2(140.208,142.621) 140.208,152.654 140.462,152.908 v2(140.462,153.035) ; C9.1@146.05,152.908 145.987,152.971 145.351,152.971 143.701,152.971 v2(143.637,153.035) 143.637,162.814 147.701,166.878 v2(157.226,166.878) ; v2(149.86,142.494) 151.638,144.272 162.306,144.272 163.919,145.885 167.424,145.885 168.167,145.142 168.167,144.504 168.212,144.46 R25.2@168.402,144.46 ; v2(166.878,168.783) 168.91,170.815 168.91,186.436 168.021,187.325 168.021,190.597 168.49,191.066 169.222,191.066 P25.1@169.672,191.516 P25.2@172.212,191.516 P15.1@174.752,191.516 P15.2@177.292,191.516 P15.3@179.832,191.516 P15.4@182.372,191.516 P20.1@184.912,191.516 P20.2@187.452,191.516 P20.3@189.992,191.516 P20.4@192.532,191.516 ; U5.3@170.469,116.13 170.413,116.073 164.576,116.073 C47.1@164.519,116.017 164.458,116.078 v2(162.687,116.078) 160.274,118.491 160.274,123.19 162.306,125.222 176.911,125.222 184.912,133.223 222.25,133.223 226.695,128.778 226.695,82.677 229.578,79.794 236.601,79.794 v2(251.079,79.794) ; P36.1@318.77,71.628 P36.2@318.77,74.168 P36.3@318.77,76.708 P36.4@318.77,79.248
  Bottom Layer w0.8: v2(140.208,119.38) 159.385,119.38 v2(162.687,116.078) ; v2(140.208,142.621) 140.272,142.558 149.796,142.558 v2(149.86,142.494) ; v2(140.462,153.035) v2(143.637,153.035) ; v2(157.226,166.878) 164.973,166.878 v2(166.878,168.783) ; v2(251.079,79.794) 251.079,78.486 254.381,75.184 311.277,75.184 315.214,79.121 P36.4@319.024,79.121
VCC_5V_S: C21.1 C22.2 C24.2 C29.2 C45.1 C53.1 D5.2 L3.1 LS1.1 P5.1 P6.1 P7.1 P9.1 P10.1 P10.2 P10.3 P10.4 P11.1 P13.1 P16.1 P18.1 P21.1 P28.1 P30.1 P32.1 P33.1 P40.9 R19.2 R20.2 R23.2 R26.2 U4.3 U6.3 | length 564.3
  Top Layer w0.254: R19.2@146.812,139.685 146.812,138.739 147.248,138.302 147.312,138.302 147.58,138.034 C21.1@148.088,137.526 ; C21.1@148.088,136.891 C21.1@148.088,137.526 ; R20.2@156.01,111.887 156.972,111.887 157.607,112.522 157.607,134.493 154.051,138.049 148.745,138.049 148.73,138.034 148.596,138.034 C21.1@148.088,137.526 ; P28.1@236.474,64.008 v2(236.474,70.231) ; R26.2@237.871,94.676 238.062,94.676 238.379,94.358 238.379,94.168 239.014,93.533 v2(239.014,81.153) ; P6.1@278.13,64.008 276.492,64.008 276,64.5 276,69 274,71 271.5,71 270.582,71.918 270.582,81.418 272.604,83.439 C53.1@277.876,83.439 277.876,84.328 278.511,84.963 281.686,84.963 282.321,84.328 282.321,83.779 U6.3@282.372,83.729
  Top Layer w0.8: P40.9@131.064,74.676 128.778,74.676 128.524,74.93 ; P10.4@131.064,99.568 P10.3@131.064,102.108 P10.2@131.064,104.648 P10.1@131.064,107.188 131.318,107.442 131.318,108.331 ; P11.1@138.938,64.008 138.338,63.408 138.338,62.773 138.239,62.674 ; D5.2@140.716,180.657 142.24,179.133 142.24,144.526 144.018,142.748 148.088,142.748 ; C21.1@148.088,137.526 148.088,141.478 ; P16.1@151.13,64.008 151.13,61.214 150.749,60.833 ; v2(161.417,145.669) 161.417,146.812 ; v2@163.006,128.843 C29.2@164.519,128.844 164.55,128.874 166.974,128.874 167.094,128.994 169.913,128.994 170.003,129.084 U4.3@170.288,129.084 ; P7.1@163.322,64.008 163.322,60.96 163.195,60.833 ; R23.2@171.958,144.46 171.958,146.812 ; P18.1@175.514,64.008 175.514,60.96 175.641,60.833 ; v1(184.785,148.209) 183.388,146.812 171.958,146.812 ; P21.1@187.706,64.008 187.706,60.96 187.833,60.833 ; v1(191.77,155.194) 194.136,157.56 LS1.1@194.136,167.513 ; P13.1@199.898,64.008 199.898,61.087 200.152,60.833 ; P32.1@212.09,64.008 212.09,60.96 211.963,60.833 ; P33.1@224.282,64.008 224.282,60.833 ; P28.1@236.474,64.008 236.474,60.833 ; P30.1@248.666,64.008 248.666,60.96 248.793,60.833 ; P6.1@278.13,64.008 278.13,60.833 ; P5.1@290.322,64.008 290.322,61.087 290.576,60.833 ; P9.1@302.514,64.008 299.339,60.833 290.576,60.833 ; 128.524,74.93 128.524,107.061 129.794,108.331 131.318,108.331 ; 128.524,74.93 128.524,72.136 130.429,70.231 132.969,70.231 137.541,65.659 137.541,63.373 138.239,62.674 ; 131.318,108.331 138.176,108.331 141.478,111.633 141.478,141.009 141.947,141.478 148.088,141.478 ; 138.239,62.674 140.081,60.833 150.749,60.833 ; 148.088,141.478 148.088,142.748 ; 148.088,142.748 148.088,144.405 150.495,146.812 161.417,146.812 ; 150.749,60.833 163.195,60.833 ; 161.417,146.812 171.958,146.812 ; 163.195,60.833 175.641,60.833 ; 175.641,60.833 187.833,60.833 ; 187.833,60.833 200.152,60.833 ; 200.152,60.833 211.963,60.833 ; 211.963,60.833 224.282,60.833 ; 224.282,60.833 236.474,60.833 ; 236.474,60.833 248.793,60.833 ; 248.793,60.833 278.13,60.833 ; 278.13,60.833 290.576,60.833
  Bottom Layer w0.254: v2(236.474,70.231) 236.474,70.485 239.014,73.025 v2(239.014,81.153)
  Bottom Layer w0.8: v2(161.417,145.669) 161.417,130.431 v2(163.005,128.842) ; v1(184.785,148.209) v1(191.77,155.194)
VCC_PW: C16.2 C26.2 DC1.1 J1.1 P4.1 P4.2 P4.3 P4.4 P40.1 R1.2 R78.2 U2.2 U3.2 | length 281.1
  Top Layer w0.254: P40.1@131.064,94.996 132.334,96.266 142.494,96.266 145.415,93.345 145.415,81.28 147.828,78.867 224.282,78.867 v2(225.425,80.01) ; v2(163.322,143.51) 163.516,143.704 163.9,143.704 164.656,144.46 R78.2@164.846,144.46 ; v2(228.473,83.439) 228.473,92.898 229.743,94.168 229.743,94.358 230.061,94.676 R1.2@230.251,94.676
  Top Layer w0.8: C26.2@144.526,115.301 U3.2@147.066,115.301 ; U2.2@167.64,151.892 167.659,151.873 167.659,149.587 C16.2@167.894,149.352
  Bottom Layer w0.254: v2(225.425,80.01) 225.425,80.2 228.473,83.248 v2(228.473,83.439)
  Bottom Layer w2: 138.049,117.221 v1(143.002,117.221) v1(143.764,117.221) ; 138.049,148.971 163.322,148.971 ; v2(163.322,143.51) 163.322,148.971 ; v1(165.735,148.971) v1(164.973,148.971) 163.322,148.971
  Bottom Layer w2.54: J1.1@127,152.908 138.049,152.908 ; P40.1@131.064,94.996 135.017,94.996 138.049,98.028 138.049,117.221 138.049,131.699 ; P4.4@131.064,123.952 P4.3@131.064,126.492 P4.2@131.064,129.032 P4.1@131.064,131.572 137.922,131.572 138.049,131.699 ; DC1.1@135.74,171.831 DC1.1@135.74,170.18 135.74,168.552 138.049,166.243 138.049,152.908 ; 138.049,131.699 138.049,148.971 138.049,152.908
  other v1: 143.002,116.459 143.764,116.459 144.526,116.459 144.526,117.221 143.002,117.983 143.764,117.983 144.526,117.983 164.973,148.209 165.735,148.209 166.497,148.209 166.497,148.971 164.973,149.733 165.735,149.733 166.497,149.733
VDDA: C18.2 C19.2 L2.1 R17.2 U1.39 | length 16.1
  Top Layer w0.254: C19.2@280.416,113.807 C18.2@280.416,115.906 281.729,115.906 281.991,116.168 v1(282.05,116.168) ; U1.39@280.792,125.118 280.792,122.919 281.284,122.428 282.441,121.27 282.636,121.27 v1(282.702,121.204) ; L2.1@281.686,116.821 281.736,116.821 281.809,116.748 281.809,116.698 281.984,116.523 281.984,116.234 v1(282.05,116.168) ; R17.2@281.744,115.062 281.744,115.112 282.083,115.451 282.083,116.136 v1(282.05,116.168)
  Bottom Layer w0.254: v1(282.05,116.168) 282.05,120.552 v1(282.702,121.204)
VREF+: C14.2 C15.2 R17.1 U1.38 | length 14.6
  Top Layer w0.254: U1.38@280.292,125.118 280.292,122.075 283.21,119.157 283.21,115.062 ; C15.2@281.773,113.807 C14.2@283.21,113.807 283.21,115.062 ; R17.1@282.594,115.062 283.21,115.062
pads on no net: MicroUSB-DIP1.0@163.492,191.389 MicroUSB-DIP1.1@158.565,191.389 MicroUSB-DIP1.2@164.592,194.056 MicroUSB-DIP1.3@157.48,194.056 MicroUSB-DIP1.4 U2.3 U3.3 U4.4 U5.4 U8.9 U8.10 U8.11 U8.12 U8.13 U8.14 U8.15 USBC1.

## Polygon pours and split planes (outlines as drawn)
GND on Top Layer "NONET_L01_P-001" (solid, remove dead copper, pour order 13): 135.5,196.5 122.5,184 122.5,68 135,55.5 314.5,55.5 327,68 327.5,184 314.5,196.5
VCC_PW on Top Layer "NONET_L01_P-001" (solid, pour order 9): 142.621,118.427 142.621,114.49 145.161,114.49 145.161,118.427
VCC_PW on Top Layer "NONET_L01_P-001" (solid, pour order 8): 168.529,150.114 164.592,150.114 164.592,147.574 168.529,147.574
NetC23_1 on Top Layer "NONET_L01_P-001" (solid, pour order 7): 147.32,118.491 146.05,117.221 146.05,116.332 146.177,116.205 147.955,116.205 148.209,116.459 148.209,118.491
GND on Top Layer "NONET_L01_P-001" (solid, pour order 6): 142.748,138.43 145.669,138.43 145.796,138.303 145.796,130.048 147.701,128.143 147.701,120.142 146.939,119.38 144.526,119.38 142.748,121.158
GND on Top Layer "NONET_L01_P-001" (solid, pour order 5): 144.78,150.876 152.781,150.876 154.432,152.527 162.56,152.527 163.957,151.13 163.957,149.098 162.433,147.574 144.78,147.574
NetC23_2 on Top Layer "NONET_L01_P-001" (solid, pour order 4): 148.717,125.349 148.717,117.348 149.987,116.078 153.035,116.078 153.289,116.332 153.289,124.714 152.654,125.349
VCC_5V_S on Top Layer "NONET_L01_P-001" (solid, pour order 3): 152.654,130.048 152.527,130.175 152.527,136.779 151.78,137.526 147.813,137.526 146.939,136.652 146.939,135.382 146.304,134.747 146.304,130.81 147.066,130.048
VCC_5V_M on Top Layer "NONET_L01_P-001" (solid, pour order 2): 145.415,156.591 146.558,157.734 152.908,157.734 153.289,157.353 153.289,152.273 152.146,151.13 148.082,151.13 147.193,152.019 146.05,152.019 145.415,152.654
NetC11_1 on Top Layer "NONET_L01_P-001" (solid, pour order 1): 166.37,153.035 166.751,152.654 166.751,150.876 166.624,150.749 165.1,150.749 164.211,151.638 164.211,152.908 164.338,153.035
NetC11_2 on Top Layer "NONET_L01_P-001" (solid, pour order 0): 157.48,157.48 158.496,158.496 166.243,158.496 166.878,157.861 166.878,154.94 165.354,153.416 157.48,153.416
GND on Bottom Layer "NONET_L01_P-001" (solid, remove dead copper, pour order 14): 135.5,196.5 122.5,184 122.5,68 135,55.5 314.5,55.5 327.5,68.5 327.5,184 314.5,196.5
VCC_PW on Bottom Layer "NONET_L01_P-001" (solid, pour order 11): 145.238,118.364 138.38,118.364 138.38,115.57 145.238,115.57
VCC_PW on Bottom Layer "NONET_L01_P-001" (solid, pour order 10): 167.132,150.241 138.684,150.241 138.684,147.447 167.132,147.447

## Keep-outs
Keep-Out Layer:
  circle w0.254: c209.793,191.604 r0.523
  circle w0.254: c201.807,191.605 r0.523
  lines w0.254: 122,62 ccw(c129,62) 129,55 ; 122,62 ccw(c129,62) 129,55 ; 122,62 122,190 ; 122,62 122,190 ; 122,190 cw(c129,190) 129,197 ; 122,190 cw(c129,190) 129,197 ; 129,55 321,55 ; 129,55 321,55 ; 129,197 321,197 ; 129,197 321,197 ; 321,55 ccw(c321,62) 328,62 ; 321,55 ccw(c321,62) 328,62 ; 321,197 cw(c321,190) 328,190 ; 321,197 cw(c321,190) 328,190 ; 328,62 328,190 ; 328,62 328,190